# Altium PCB core.PcbDoc (part 4 of 4)
Units mil, origin at the board's own origin, x right, y up, seen from the top; angles counter-clockwise.
Board outline 2844.68 x 1781.68 mil, 4 copper layers (Top Layer 1, Signal Layer 1, Signal Layer 2, Bottom Layer 1), stack 23.756 mil thick; 133 components, 210 nets, 844 pads, 433 vias.
Unrouted connection lines stored in the file: 3.
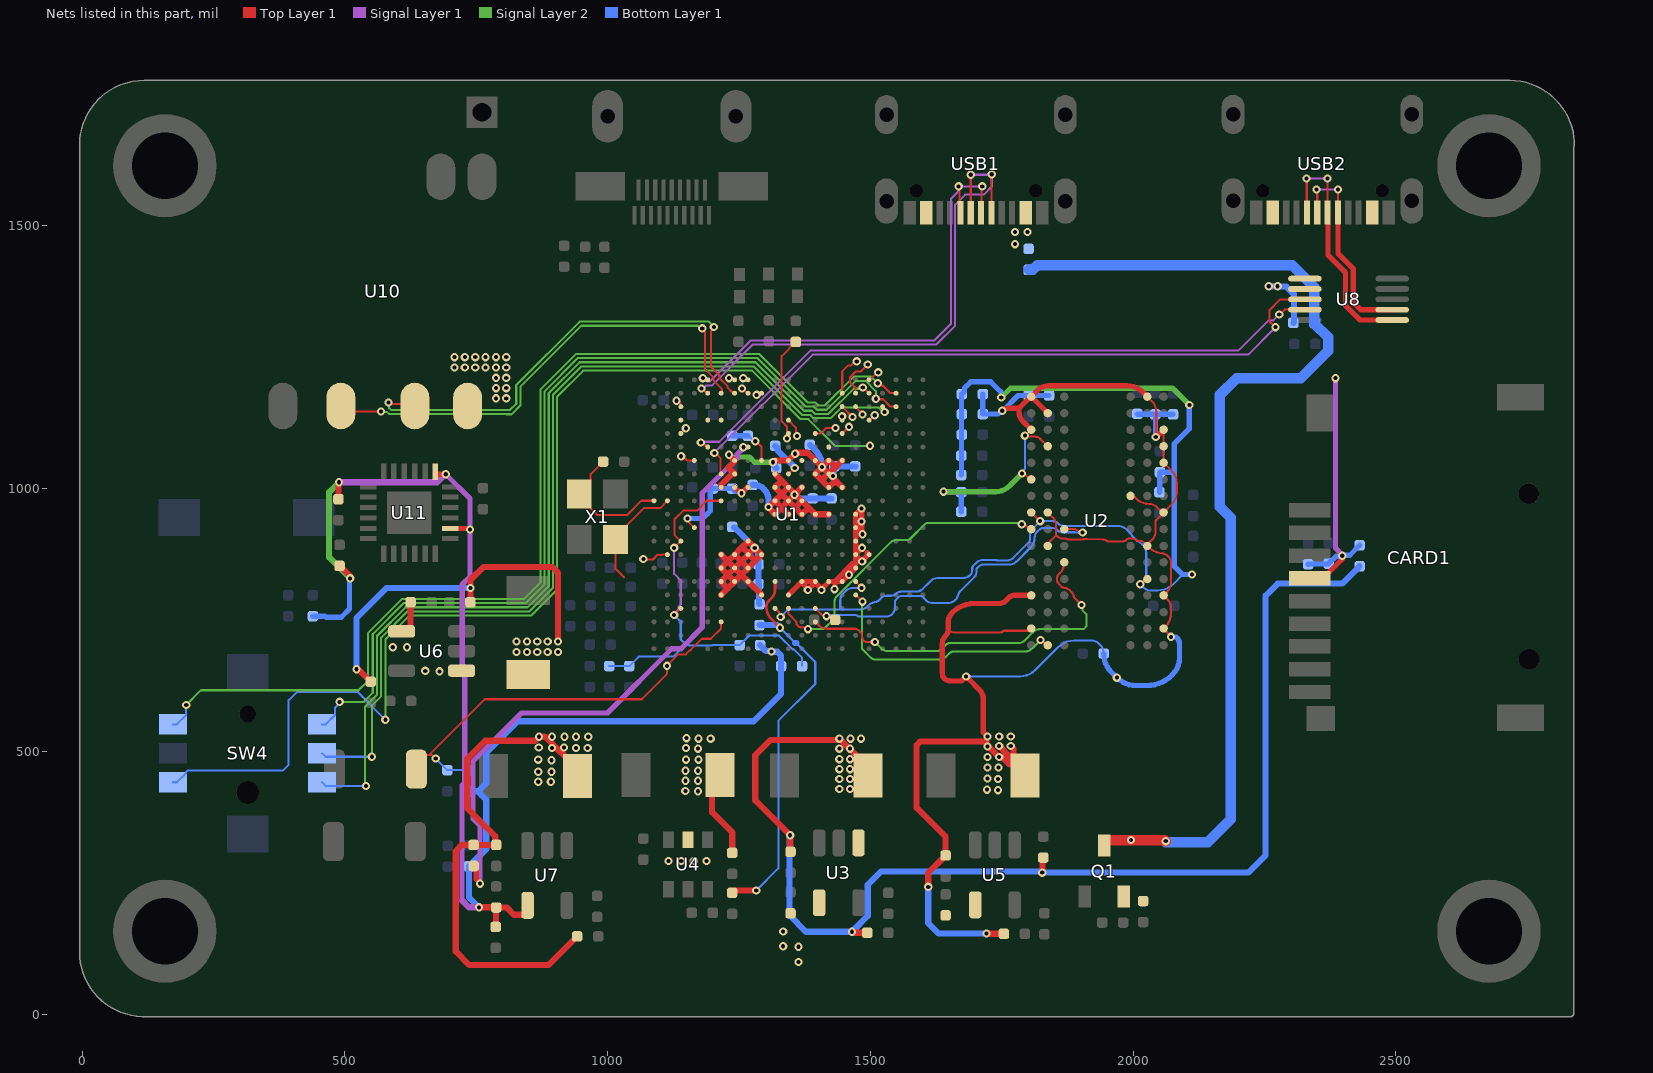
[diagram p6: the nets of this part, all layers, seen from the top]

## Via types
v1: diameter 15.75, hole 7.87, Top Layer 1 to Bottom Layer 1, tented both sides, 428 vias
v2: diameter 15.75, hole 7.87, Top Layer 1 to Bottom Layer 1, 4 vias
v3: diameter 15.75, hole 7.87, Signal Layer 1 to Signal Layer 2, tented both sides, 1 vias

## Nets (pads, with @x,y where several pads share a name; then routed paths per layer and width w, separated by ;. In a path a pad name is that pad's centre, name@x,y a point inside that pad or via, vN(x,y) a via of type N, cw(c..) or ccw(c..) an arc to the next point about the centre after c; other vN are vias at no path point) (continued)
SODT1: U1.V11 U2.J1 | length 593.2
  Top Layer 1 w4: U1.V11@1344.05,771.88 1344.35,771.58 1344.35,761.16 1357.79,747.71 cw(c1354.98,744.87) 1358.96,745.26 ccw(c1369.64,746.29) 1372.04,735.84 cw(c1372.91,731.94) 1372.81,735.93 cw(c1372.81,723.7) 1380.55,733.18 cw(c1372.81,723.7) v1(1381.46,732.35) ; v1(1788.14,931.98) 1788.27,931.81 ccw(c1791.48,934.2) 1788.63,931.39 1790.48,929.53 1795.89,929.53 1802.77,922.65 U2.J1@1806.02,922.65
  Signal Layer 2 w4: v1(1381.46,732.35) 1406.72,732.35 ccw(c1406.72,743.62) 1414.69,735.65 1428.33,749.29 ccw(c1419.46,758.16) 1432,758.16 1432,785.53 cw(c1444.36,785.53) 1435.62,794.27 1538.91,897.56 ; 1538.92,897.57 cw(c1548.79,887.68) 1548.79,901.65 1568.63,901.65 ccw(c1568.63,912.61) 1576.37,904.85 1603.36,931.84 cw(c1610.01,925.19) 1610.01,934.59 1774.25,934.59 1784.48,934.08 cw(c1784.28,930.08) 1786.96,933.05 v1(1788.14,931.98)
SPI0_CLK: U1.B16 | length 78.4
  Top Layer 1 w4: U1.B16@1472,1181.33 1471.67,1181.66 1471.67,1192.05 1461.28,1202.45 1461.28,1211.36 1472.47,1222.56 1481.56,1222.56 v1(1495,1236)
SPI0_CS: U1.B15 | length 77.1
  Top Layer 1 w4: U1.B15@1446.41,1181.33 1446.41,1223.01 1457.24,1233.84 1462.66,1233.84 1470.82,1242 v1(1474,1242)
SPI0_MISO: U1.C16 | length 20.1
  Top Layer 1 w4: U1.C16@1472,1155.74 1472,1154.86 1485,1141.86 v1(1485,1140.98)
SPI0_MOSI: U1.C15 | length 27.9
  Top Layer 1 w4: U1.C15@1446.41,1155.74 1446.41,1155.57 1465.92,1136.06 v1(1465.92,1135.89)
SRAS: U1.V13 U2.J3 | length 658.5
  Top Layer 1 w4: U1.V13@1395.23,771.88 1405.46,761.65 ccw(c1416.38,772.57) 1409.26,758.87 ccw(c1416.38,772.57) v1(1416.38,757.13) ; U2.J3@1869.01,922.65 1888.03,922.65 cw(c1888.03,900.07) 1888.8,922.64 ; 1888.83,922.64 cw(c1888.62,918.64) 1890.28,922.29 v1(1903.96,916.07)
  Bottom Layer 1 w4: v1(1416.38,757.13) 1418.42,759.17 1470.5,759.17 cw(c1470.5,749.71) 1476.22,757.24 ccw(c1478.64,760.43) 1478.4,756.43 1478.74,756.41 ccw(c1479.07,760.4) 1479.07,756.4 1500.85,756.4 1506.48,756.35 ccw(c1506.56,769.23) 1506.58,756.35 1527.23,756.37 1530.35,756.37 ccw(c1530.35,772.04) 1530.7,756.38 ccw(c1530.35,772.04) 1541.43,760.96 ccw(c1528.18,774.21) 1541.47,761 ccw(c1528.18,774.21) 1546.92,774.21 1546.92,785.1 cw(c1550.92,785.1) 1548.07,787.92 1552.15,791.99 cw(c1561.22,782.86) 1561.22,795.73 1591.76,795.73 cw(c1591.76,782.66) 1601,791.9 1604.83,788.08 ; 1604.84,788.06 ccw(c1619.72,802.97) 1619.72,781.91 1645.85,781.91 ccw(c1645.85,806.18) 1661.18,787.36 1662.76,788.93 ccw(c1655.85,795.84) 1664.8,791.92 ; 1670.67,804.67 ccw(c1673.54,801.88) 1669.88,803.49 1664.84,792.03 1664.82,791.97 ; 1670.69,804.69 1698.36,832.36 ccw(c1689.9,840.79) 1701.85,840.79 1701.85,845.74 cw(c1705.85,845.74) 1703.25,848.78 1707.37,852.3 cw(c1715.72,842.5) 1715.72,855.37 1764.51,855.37 ccw(c1764.51,874.41) 1777.98,860.95 1805.63,888.6 ccw(c1790.24,903.99) 1812,903.99 cw(c1816,903.99) 1812.08,904.78 1813.42,911.4 cw(c1826.04,908.83) 1818.26,919.09 1821.71,921.71 cw(c1829.66,913.76) 1829.66,925 1844.37,925 cw(c1844.37,906.68) 1857.31,919.65 ccw(c1864.21,926.53) 1864.21,916.78 1888.09,916.78 cw(c1888.09,912.78) 1888.27,916.78 v1(1903.96,916.07) ; 1664.8,791.92 ccw(c1655.85,795.84) 1664.82,791.97
SRST: U1.U16 U2.T2 | length 487.1
  Top Layer 1 w4: U1.U16@1472,797.47 v1@1484.84,784.68 ; v1(1823.73,711.53) 1825.69,711.53 1835.12,702.09 1835.12,701.65 U2.T2@1837.51,701.65
  Signal Layer 2 w4: v1(1484.87,784.68) 1483.88,783.68 1483.88,696.74 ccw(c1487.88,696.74) 1485.07,693.9 1500.79,678.24 ccw(c1509.25,686.75) 1509.25,674.75 1633.11,674.75 ccw(c1633.11,687.67) 1642.25,678.53 1649.06,685.35 cw(c1660.61,673.8) 1660.61,690.13 1795.11,690.13 ccw(c1795.11,707.57) 1807.43,695.22 v1(1823.73,711.53)
STATUS_LED: R38.2 U1.E11 | length 209.4
  Top Layer 1 w4: U1.E11@1344.05,1104.56 1343,1103.52 1343,1096.96 v1(1341.4,1095.35) 1341.4,1117.63 1331,1128.03 1331,1252 R38.2@1358,1279
SVREF: C24.1 C33.2 C38.2 C39.2 R9.2 R10.1 R12.1 U1.T16 U1.V10 U2.H1 U2.M8 | length 2175.3
  Top Layer 1 w4: U1.V10@1318.46,771.88 1326.98,763.35 ; U1.T16@1472,823.06 1472,822.53 1483,811.53 v1(1483,811) ; U2.H1@1806.02,954.4 1806.22,954.4 1822.78,937.83 v1(1822.99,937.83) ; v1(2013.48,817.87) 2015.35,817.87 2025.13,827.65 U2.M8@2027,827.65
  Signal Layer 2 w10: v1(1749,1173) 1767,1191 2075,1191 v1(2107,1159)
  Bottom Layer 1 w4: v1(1329.23,755.58) 1343.65,770 1442.68,770 ; v1(1483,811) 1467.62,811 ccw(c1467.62,790.19) 1452.92,804.92 1447.61,799.61 ccw(c1459.52,787.71) 1442.68,787.71 1442.68,770 ; 1496.77,777.7 1495.07,776.01 1495.01,775.95 cw(c1480.61,790.42) 1480.61,770 1442.68,770 ; 1496.78,777.72 cw(c1513.37,761.09) 1502.93,782.13 cw(c1513.37,761.09) 1503.32,782.32 cw(c1505.05,778.71) 1504.04,782.58 1511.62,784.56 ccw(c1510.63,788.44) 1512.12,784.73 ccw(c1507.44,796.3) 1516.27,787.47 1520.47,791.67 cw(c1530.61,781.53) 1530.61,795.87 1539.16,795.87 ccw(c1539.16,809.29) 1548.64,799.8 cw(c1558.13,790.32) 1558.13,803.73 1587.8,803.73 ccw(c1587.8,819.53) 1598.97,808.36 1613.76,823.14 ; 1613.78,823.16 cw(c1630.31,806.58) 1630.31,830 1677.9,830 ccw(c1677.9,845.7) 1689,834.6 1690.1,835.7 ccw(c1680.97,844.78) 1693.85,844.78 1693.85,845.74 1693.85,849.05 cw(c1697.85,849.05) 1695.02,851.88 1701.96,858.83 ; 1701.97,858.84 cw(c1714.31,846.48) 1714.31,863.94 1733.37,863.94 cw(c1733.37,859.94) 1733.63,863.93 1739.94,863.52 ccw(c1740.78,876.36) 1740.71,863.49 1761.84,863.37 ccw(c1761.92,876.25) 1770.99,867.12 1802.49,898.62 ccw(c1799.66,901.44) 1803.54,900.45 1803.58,900.6 ccw(c1799.71,901.61) 1803.71,901.61 1803.71,909.99 cw(c1823.92,909.99) 1809.61,924.27 ; 1809.63,924.28 v1@1822.99,937.64 ; v1(1822.99,937.83) v1@1822.99,937.64 ; 2094.65,836.31 2076.96,818.62 cw(c2046.5,849.08) 2046.5,806 2033.74,806 cw(c2033.74,826.26) 2019.42,811.93 v1(2013.48,817.87) 2020.91,825.3 ccw(c2011.35,834.86) 2024.87,834.86 2024.87,877.71 ccw(c2004.39,877.71) 2018.88,892.19 2016.99,894.08 2007.37,900.75 1999.83,908.29 1990.03,919.61 1988.8,920.84 ccw(c1969.95,901.99) 1969.95,928.65 1921.97,928.65 cw(c1921.97,932.65) 1921.9,928.65 1904.43,928.94 cw(c1904.64,941.81) 1904.35,928.94 ccw(c1903.96,916.07) 1903.93,928.95 1887.39,928.91 1868.15,928.91 cw(c1868.15,944.15) 1857.39,933.36 ccw(c1846.58,922.54) 1846.58,937.83 1823.18,937.83 v1@1823,937.65 ; v1@2108,840.65 2112,840.65 v1(2112,836.31)
  Bottom Layer 1 w10: C39.2@1673,1025.65 1673.5,1026.15 1673.5,1179.15 C24.1@1674,1179.65 1679,1184.65 1679,1191 1691,1203 1729,1203 1747.9,1184.1 ; v1(1749,1173) 1749,1182 ; C38.2@2050,993 2050.5,993.5 2050.5,1030.5 R12.1@2051,1031 2073.84,1031 2078,1026.84 ; v1(2107,1159) 2107,1113.87 2078,1084.87 2078,1026.84 ; v1@2109.34,836.31 2094.65,836.31 2093.98,836.31 2078,852.29 2078,1026.84
SW_DOWN: SW4.6 U1.F17 | length 2135.2
  Top Layer 1 w4: U1.F17@1497.59,1078.97 1499.58,1080.96 1499.41,1081.13 v1(1499.41,1081.24)
  Signal Layer 2 w4: v1(577,560) 577,712.75 622.25,758 854.25,758 904,807.75 904,1175 953.25,1224.25 1274.87,1224.25 1367.12,1132 1382,1132 1433.04,1080.96 1499.41,1080.96 v1(1499.41,1081.24)
  Bottom Layer 1 w4: SW4.6@173.23,440.95 180.12,440.95 197.8,458.64 197.8,460.66 200.14,463 382,463 393,474 393,597 409,613 524,613 v1(577,560)
SW_LEFT: SW4.2 U1.C18 | length 1782.4
  Top Layer 1 w4: U1.C18@1523.18,1155.74 1524.22,1154.7 1524.22,1151.84 1527.12,1148.94 v1(1527.12,1145.77)
  Signal Layer 2 w4: v1(551.33,489.51) 551.33,586.7 569,604.37 569,716.06 618.94,766 850.94,766 896,811.06 896,1178.31 949.94,1232.25 1278.18,1232.25 1370.43,1140 1385.31,1140 1391.43,1133.88 1424.8,1133.88 1433.35,1142.43 1433.35,1142.62 1440.89,1150.17 1441.08,1150.17 1444.77,1153.85 1515.85,1153.85 1523.94,1145.77 v1(1527.12,1145.77)
  Bottom Layer 1 w4: SW4.2@456.69,496.07 463.25,489.51 v1(551.33,489.51)
SW_MID: SW4.1 U1.C19 | length 1763.5
  Top Layer 1 w4: v1(1510.39,1170.76) 1511.31,1169.83 1524.26,1169.83 1538.05,1156.04 1548.47,1156.04 U1.C19@1548.77,1155.74
  Signal Layer 2 w4: v1(490,594) 536,594 553,611 553,722.69 612.31,782 844.31,782 880,817.69 880,1184.94 943.31,1248.25 1284.81,1248.25 1377.06,1156 1391.94,1156 1398.06,1149.88 1416.78,1149.88 1471.83,1204.93 1490.85,1204.93 1510.39,1185.4 v1(1510.39,1170.76)
  Bottom Layer 1 w4: SW4.1@456.69,551.19 463.58,551.19 481.27,568.87 481.27,583.11 490,591.85 v1(490,594)
SW_RIGHT: SW4.3 U1.B17 | length 1815
  Top Layer 1 w4: v1(1485.52,1192.06) 1486.19,1192.06 1496.92,1181.33 U1.B17@1497.59,1181.33
  Signal Layer 2 w4: v1(540,434) 538.45,435.55 538.45,585.14 561,607.69 561,719.37 615.63,774 847.63,774 888,814.37 888,1181.63 946.62,1240.25 1281.49,1240.25 1373.75,1148 1388.63,1148 1394.74,1141.88 1420.09,1141.88 1468.03,1189.83 1483.28,1189.83 v1(1485.52,1192.06)
  Bottom Layer 1 w4: SW4.3@456.69,440.95 463.64,434 v1(540,434)
SW_UP: SW4.4 U1.B19 | length 2023.8
  Top Layer 1 w4: v1(1513.92,1200.29) 1517.1,1200.29 1521.77,1195.62 1524.06,1195.62 1538.05,1181.63 1548.47,1181.63 U1.B19@1548.77,1181.33
  Signal Layer 2 w4: v1(198,588) 226,616 526,616 544.35,634.35 544.35,725.35 609,790 841,790 872,821 872,1188.25 940,1256.25 1288.12,1256.25 1380.37,1164 1395.25,1164 1401.37,1157.88 1413.46,1157.88 1468.51,1212.93 1501.27,1212.93 v1(1513.92,1200.29)
  Bottom Layer 1 w4: SW4.4@173.23,551.19 180.12,551.19 197.8,568.87 197.8,587.8 v1(198,588)
SWE: U1.W13 U2.L3 | length 712.5
  Top Layer 1 w4: U1.W13@1395.23,746.29 1401.81,739.71 ccw(c1417.7,755.6) 1417.7,733.13 1470.3,733.13 cw(c1470.3,722.4) 1477.87,730 ; 1477.88,729.98 1481.02,726.84 cw(c1473.97,719.79) 1483.94,719.79 ccw(c1497.79,719.79) 1483.96,719.16 ccw(c1497.79,719.79) 1488,710 ccw(c1492.86,714.86) 1492.86,707.99 v1(1508.47,707.99) ; 1863.01,841.46 1861.43,839.88 cw(c1857.96,841.87) 1860.44,838.73 ccw(c1869.01,827.65) 1859.14,837.58 ccw(c1869.01,827.65) 1859.08,837.52 ccw(c1869.01,827.65) 1855.01,827.65 1855.01,824.75 cw(c1851.8,822.36) 1855.62,823.55 ccw(c1869.01,827.65) 1859.08,817.78 ccw(c1869.01,827.65) 1859.14,817.72 1863.13,813.73 ccw(c1870.56,821.17) 1868.56,810.85 cw(c1868.56,795.96) 1870.95,810.65 cw(c1868.56,795.96) 1879.09,806.49 1883.53,802.04 cw(c1874.57,793.08) 1887.2,794.1 ; 1863.03,841.47 ccw(c1852.88,851.59) 1867.21,851.59 1867.21,857.85 U2.L3@1869.01,859.65 ; 1886.94,795.82 ccw(c1892.83,795.82) 1887.2,794.1 ; v1(1901.81,778.52) 1888.66,791.66 cw(c1892.83,795.82) 1887.2,794.1
  Signal Layer 2 w4: v1(1508.47,707.99) 1521.35,695.11 ccw(c1531.87,705.63) 1531.87,690.75 1627.24,690.75 ccw(c1627.24,701.86) 1635.1,694 1643.27,702.17 ; 1643.28,702.19 cw(c1652.81,692.64) 1652.81,706.13 1782.66,706.13 ccw(c1782.66,720.98) 1793.16,710.47 ; 1793.16,710.48 1809.17,726.49 cw(c1823.46,712.2) 1823.46,732.4 1905.75,732.4 1911,737.65 1911,760.65 1903.28,768.37 1903.28,777.04 v1(1901.81,778.52)
TFT_RS: U1.D17 | length 14.7
  Top Layer 1 w4: U1.D17@1497.59,1130.15 1498.33,1130.15 1507.66,1139.48 v1(1508.4,1139.48)
TFT_RST: U1.A17 | length 23.2
  Top Layer 1 w4: U1.A17@1497.59,1206.92 1499.06,1206.92 1513.14,1221 v1(1515,1221)
UART0_RX: U1.H6 U8.8 | length 1327.2
  Top Layer 1 w4: v1(1203.09,1067.74) 1205.01,1067.74 1215.05,1057.7 1215.05,1028.83 U1.H6@1216.1,1027.79 ; v1(2271,1307) 2270.2,1307 2259.38,1317.83 2259.38,1339.38 2280,1360 U8.8@2326.86,1360
  Signal Layer 1 w4: v1(1203.09,1067.74) 1390.23,1254.87 2218.87,1254.87 v1(2271,1307)
UART0_STATUS: U8.6
UART0_TX: U1.F5 U8.9 | length 1271.7
  Top Layer 1 w4: v1(1177.35,1087.6) 1180.39,1087.6 1189.03,1078.97 U1.F5@1190.5,1078.97 ; v1@2278.52,1330.48 v1(2278,1331) 2278.99,1331 2288.31,1340.32 U8.9@2326.86,1340.32
  Signal Layer 1 w4: v1(1177.35,1087.6) 1178.77,1089.03 1212.6,1089.03 1386.45,1262.87 2200.87,1262.87 2257.87,1319.87 2266.87,1319.87 v1(2278,1331)
UART1_CTS: U1.E3 | length 14.2
  Top Layer 1 w4: U1.E3@1139.32,1104.56 1139.32,1104.9 1148.87,1114.45 v1(1148.87,1114.79)
UART1_RTS: U1.C3 | length 16.6
  Top Layer 1 w4: v1(1131,1166.97) 1133.25,1164.72 1136.48,1164.72 1138.28,1162.92 1138.28,1156.78 U1.C3@1139.32,1155.74
UART1_RX: U1.D3 | length 1.1
  Top Layer 1 w4: U1.D3@1139.32,1130.15 U1.D3@1139.32,1131.26
UART1_TX: U1.G4 | length 28.3
  Top Layer 1 w4: v1(1139.93,1061.44) 1143.11,1061.44 1151.17,1053.38 U1.G4@1164.91,1053.38
UART2_CTS: U1.E13 | length 42.9
  Top Layer 1 w4: U1.E13@1395.23,1104.56 1395.53,1104.86 1405.95,1104.86 1416.38,1115.28 1433.46,1115.28 v1(1433.61,1115.13)
UART2_RTS: U1.D6
UART2_RX: U1.D5
UART2_TX: U1.D11 | length 36.9
  Top Layer 1 w4: U1.D11@1344.05,1130.15 1358.31,1115.89 1358.31,1102.37 v1(1360.56,1100.13)
UART3_CTS: U1.D15 | length 7.2
  Top Layer 1 w4: v1(1446.22,1137.29) 1446.22,1130.34 U1.D15@1446.41,1130.15
UART3_RTS: U1.F14 | length 1.1
  Top Layer 1 w4: U1.F14@1420.82,1078.97 U1.F14@1420.82,1080.05
UART3_RX: U1.G12
UART3_TX: U1.E15 | length 18.1
  Top Layer 1 w4: U1.E15@1446.41,1104.56 v1(1459.18,1117.33)
UBOOT: C56.2 R37.1 SW3.1 U1.W6 | length 805.5
  Top Layer 1 w4: SW3.1@636,466 636,475.27 653.39,492.66 659.66,492.66 ; v1(673,486) 672,486 665.34,492.66 659.66,492.66 ; U1.W6@1216.1,746.29 1216.1,733.64 1196.45,714 1179.21,714 1157.27,692.06 1156.24,692.06 1148.56,684.39 1134.59,684.39 v1(1112.76,662.55) 1112.76,646.76 1065,599 766,599 659.66,492.66
  Bottom Layer 1 w4: v1(673,486) C56.2@695,464 R37.1@735,464
USB0-DRVVBUS: U1.P2 | length 50
  Top Layer 1 w4: v1(1068,866) 1069.02,864.98 1086.22,864.98 1094.94,873.7 1103.46,873.7 1104,874.24 U1.P2@1113.73,874.24
USB0D_N: U1.B5 USB1.A7 USB1.B7 | length 1069.9
  Top Layer 1 w4: v1(1178.82,1190.39) 1180.14,1190.39 1189.19,1181.33 U1.B5@1190.5,1181.33 ; USB1.A7@1690.95,1524.7 1690.95,1596.95 v1(1691,1597) ; USB1.B7@1730.32,1524.7 1730.66,1525.04 1730.66,1597.66 v1(1731,1598)
  Signal Layer 1 w4: v1(1178.82,1190.39) 1181.71,1190.39 1187.04,1195.72 1197.9,1195.72 1276.17,1274 1625.31,1274 1661.28,1309.97 1661.28,1540.28 1680.34,1559.34 1715.55,1559.34 1731,1574.79 v1(1731,1598) ; v1(1691,1597) v1@1730,1597
USB0D_P: U1.A5 USB1.A6 USB1.B6 | length 946.5
  Top Layer 1 w4: v1(1181.23,1209.99) 1183.25,1207.96 1189.46,1207.96 U1.A5@1190.5,1206.92 ; v1(1668,1575) 1669.63,1573.37 1669.63,1526.33 USB1.B6@1671.26,1524.7 ; USB1.A6@1710.63,1524.7 1711.61,1525.69 1711.61,1573.61 v3(1713,1575)
  Signal Layer 1 w4: v1(1181.23,1209.99) 1183.18,1209.99 1189.44,1203.72 1194.58,1203.72 1272.86,1282 1622,1282 1653.28,1313.28 1653.28,1551.28 1666.69,1564.69 1666.69,1573.69 v1(1668,1575) 1668.2,1574.8 1712.8,1574.8 v3(1713,1575)
  other v1: 1713,1575
USB1D_N: U1.B7 U10.2 | length 927.6
  Top Layer 1 w4: v2(582.81,1163.56) 585.99,1163.56 589.05,1160.5 629.53,1160.5 U10.2@633.02,1157 ; v1(1202.06,1307.25) 1202.06,1304.52 1196.57,1299.03 1196.57,1231.86 1212.32,1216.12 1212.32,1210.4 1228.41,1194.3 1228.41,1191.95 1236.78,1183.59 1237.95,1183.59 1240.21,1181.33 U1.B7@1241.68,1181.33
  Signal Layer 2 w4: v2(582.81,1163.56) 583.99,1162.38 583.99,1153.12 587.43,1149.69 810.31,1149.69 810.69,1149.31 814,1149.31 826,1161.31 826,1197 946.66,1317.66 1192.84,1317.66 1202.06,1308.44 v1(1202.06,1307.25)
USB1D_P: U1.B6 U10.3 | length 926.3
  Top Layer 1 w4: U10.3@492.24,1157 502.7,1146.53 v2(568.85,1146.53) ; v1(1180,1304.78) 1180,1303.27 1185.49,1297.78 1185.49,1227.27 1201.23,1211.53 1201.23,1205.81 1217.32,1189.71 1217.32,1186.4 1217.14,1186.21 1217.14,1182.37 U1.B6@1216.1,1181.33
  Signal Layer 2 w4: v2(568.85,1146.53) 569.45,1145.93 579.87,1145.93 584.11,1141.69 807,1141.69 807.37,1141.31 817.31,1141.31 834,1158 834,1193.69 949.97,1309.66 1171.95,1309.66 1176.82,1304.78 v1(1180,1304.78)
USB2D_N: U1.A8 | length 10.5
  Top Layer 1 w4: v1(1258,1209.99) 1260.02,1207.96 1266.23,1207.96 U1.A8@1267.28,1206.92
USB2D_P: U1.A7 | length 12
  Top Layer 1 w4: v1(1230.93,1209.99) 1232.96,1207.96 1240.64,1207.96 U1.A7@1241.68,1206.92
USB3D_N: U1.B9 | length 10.6
  Top Layer 1 w4: v1(1283.58,1178.21) 1285.65,1180.29 1291.82,1180.29 U1.B9@1292.87,1181.33
USB3D_P: U1.B8 | length 15.4
  Top Layer 1 w4: v1(1255.6,1190.39) 1256.91,1190.39 1265.96,1181.33 U1.B8@1267.28,1181.33
USB_TTL_N: U8.2 USB2.A7 USB2.B7 | length 392.5
  Top Layer 1 w4: v1(2349,1569) 2350.4,1567.6 USB2.A7@2350.4,1525 ; USB2.B7@2389.77,1525 2389.88,1525.11 2389.88,1568.88 v1(2390,1569)
  Top Layer 1 w10: USB2.B7@2389.77,1525 2389.77,1447.23 2419,1418 2419,1354 2432.69,1340.32 U8.2@2493,1340.32
  Signal Layer 1 w4: v1(2349,1569) v1(2390,1569)
USB_TTL_P: U8.1 USB2.A6 USB2.B6 | length 461.7
  Top Layer 1 w4: v1(2330,1590) 2330.35,1589.65 2330.35,1525.35 USB2.B6@2330.71,1525 ; v1(2370,1590) 2370.08,1589.92 USB2.A6@2370.08,1525
  Top Layer 1 w10: USB2.A6@2370.08,1525 2370.98,1524.09 2370.98,1444.02 2404,1411 2404,1348 2431.37,1320.63 U8.1@2493,1320.63
  Signal Layer 1 w4: v1(2330,1590) v1(2370,1590)
VCC_5V: C42.2 C44.2 C45.2 C52.2 Q1.2 U3.1 U3.4 U4.5 U5.4 U6.1 U6.4 | length 82.9
  Top Layer 1 w11.81: U6.4@608,728.06 619.09,728.06 625,733.96 C45.2@625,783.65 ; U3.4@1402.6,197.87 U3.4@1402.6,211.65
  other v1: 1363,99 1363,128 1334,129 1334,157 1116,291 1140,291 1164,291 1188,291 680,652 653,653 591,698 618,698
VCC_DRAM: C24.2 C25.1 C26.1 C27.1 C28.1 C29.1 C30.1 C31.1 C32.1 C46.2 L3.2 R9.1 R21.2 U1.L16 U1.M16 U1.N16 U1.P16 U1.P17 U1.R16 U1.T12 U1.T13 U1.T14 U1.T15 U1.U11 U2.A1 U2.A8 U2.B2 U2.C1 U2.C9 U2.D2 U2.D9 U2.E9 U2.F1 U2.G7 U2.H2 U2.H9 U2.K2 U2.K8 U2.N1 U2.N9 U2.R1 U2.R9 | length 4517
  Top Layer 1 w4: 1648,731.3 ccw(c1660.81,744.11) 1660.81,726 1747.66,726 ccw(c1747.66,731.65) 1751.65,727.65 cw(c1755.65,723.66) 1755.65,729.31 1798.43,729.31 1802.77,733.65 U2.R1@1806.02,733.65 ; 1676,636.65 1679.19,639.84 cw(c1682,637) 1679.47,640.09 v1(1682.27,642.38) ; L3.2@1793.84,453.65 L3.2@1793.84,467.83 ; v1@1795.03,1026.2 1803.83,1017.39 U2.F1@1806.02,1017.39 ; U2.A1@1805.22,1174.87 U2.A1@1806.02,1174.87 ; U2.C1@1806.02,1111.88 1794.79,1100.65 v1(1794,1100.65) 1796,1098.65 1812.77,1098.65 cw(c1812.77,1083.01) 1823.82,1094.07 U2.D2@1837.51,1080.39 ; U2.K2@1837.51,893.9 cw(c1840.89,893.9) 1838.5,896.29 1853.43,911.22 ; U2.H2@1837.51,954.4 1847.24,944.67 ; 1847.26,944.65 cw(c1844.39,941.86) 1847.37,944.54 1848.64,943.13 cw(c1845.66,940.45) 1848.71,943.04 ; 1848.74,943.01 cw(c1832.37,929.76) 1853.43,929.76 1853.43,911.22 ; U2.G7@1995,985.9 1997.3,983.6 2003.05,983.6 2005.75,980.9 ccw(c2030.49,1005.64) 2030.49,970.65 cw(c2030.49,950.11) 2045,964.65 2055.25,954.4 U2.H9@2058,954.4 ; U2.K8@2027,893.67 2036.31,902.98 ccw(c2020.64,918.64) 2042.79,918.64 2042.79,939.2 U2.H9@2058,954.4 ; U2.A8@2027,1174.87 2035.5,1166.37 ; 2035.51,1166.36 cw(c2014.98,1145.85) 2044,1145.85 2044,1099 v1(2043,1098) ; U2.C9@2058,1111.88 U2.D9@2058,1080.39 U2.E9@2058,1048.89 2073.18,1033.71 cw(c2049.47,1010) 2083,1010 2083,991.76 cw(c2053.16,991.76) 2074.26,970.66 U2.H9@2058,954.4 ; 2064.9,803.56 U2.N9@2058,796.65 2065,789.65 cw(c2048.1,772.75) 2072,772.75 2072,761.46 cw(c2038.67,761.46) 2062.25,737.9 U2.R9@2058,733.65 2058,732.65 2072,718.65 v1(2072,717.65) ; 2064.92,803.57 ccw(c2047.77,820.69) 2072,820.69 2072,849.84 2072,859.57 ccw(c2058,859.65) 2072,859.65 ccw(c2058,859.65) 2067.93,869.52 ccw(c2058,859.65) 2067.87,869.58 ccw(c2058,859.65) 2067.82,869.63 ccw(c2057.53,859.46) 2067.77,869.68 ; 2067.77,869.68 ccw(c2064.89,866.9) 2067.72,869.73 2066.38,871.07 ccw(c2051.78,856.39) 2055.82,876.7 cw(c2057.76,917.11) 2039.82,880.85 cw(c2041.57,884.44) 2039.21,881.22 2028.77,888.95 cw(c2031.15,892.16) 2028.31,889.35 U2.K8@2027,890.65 2021.1,896.55 ccw(c2010.98,886.43) 2016.1,899.8 2012.09,899.8 cw(c2012.09,910.68) 2007.65,900.75 cw(c2012.09,910.68) 2007.1,901.01 cw(c2012.09,910.68) 2004.4,902.99 ccw(c2001.72,900.35) 2001.72,904.11 ccw(c1997.94,891.32) 1997.94,904.65 1992.89,904.65 ccw(c1992.89,895.74) 1986.6,902.05 cw(c1980.31,908.33) 1980.31,899.45 1953.61,899.45 cw(c1953.61,903.45) 1953.1,899.48 1952.19,899.59 1950.12,900.42 ccw(c1942.64,890.88) 1942.64,903 ccw(c1942.35,899.01) 1942.35,903.01 cw(c1942.35,907.01) 1942.2,903.01 1911.96,904.29 ccw(c1911.41,891.43) 1907.67,903.74 cw(c1903.96,916.07) 1904.05,903.2 1876.58,903.01 1874.82,903.39 ccw(c1869.01,890.65) 1872.69,904.16 cw(c1873.77,908.01) 1871.14,905 1865.4,905 cw(c1865.4,918.87) 1855.6,909.05 1853.43,911.22
  Top Layer 1 w10: U1.U11@1344.05,797.47 U1.T12@1369.64,823.06 ; v1(1407,807) v1@1407,808.56 ; v1(1431.57,808.43) 1432.67,809.53 1432.67,820.87 1433.1,821.3 1433.1,823.06 ; v1(1459.1,835.96) 1459.1,835.75 U1.T15@1446.41,823.06 1433.1,823.06 ; v1@1459.2,835.86 U1.R16@1472,848.65 ; v1(1483,937) 1483,936.42 U1.M16@1472,925.42 ; v1(1484,887) 1483.59,886.59 1483.59,885.83 U1.P16@1472,874.24 ; v1(1485,913) 1484.42,913 v1@1483.59,913.83 ; U1.P17@1497.59,874.24 1494.27,877.56 1493.44,877.56 1493.44,871.85 1484.36,862.77 v1(1484.36,861.22) 1472.79,872.79 U1.P16@1472,872 ; 1643.22,719.77 ccw(c1658.56,704.44) 1636.87,704.44 1636.87,649 ccw(c1658.3,649) 1639,639.69 ccw(c1653.1,653.78) 1653.1,633.85 1673.2,633.85 1676,636.65 ; 1643.24,719.79 ccw(c1631.7,731.3) 1648,731.3 1648,744.69 cw(c1675.31,744.69) 1656,764 cw(c1697.04,722.96) 1697.04,781 1744.25,781 ccw(c1744.25,800.41) 1757.97,786.68 ; v1(1682.27,642.38) 1687.45,637.21 1689.08,635.57 1707.02,617.58 cw(c1687.76,598.32) 1707.07,617.53 cw(c1687.76,598.32) 1715,598.32 1715,536 v1(1723,528) ; v1(1751,1148) cw(c1762.23,1136.77) 1752.22,1149.1 cw(c1762.23,1136.77) 1762.23,1152.65 1783,1152.65 ; 1757.98,786.69 1763.67,792.38 cw(c1774,782.03) 1774,796.65 U2.N1@1806.02,796.65 ; U2.A1@1805.22,1174.87 1783,1152.65 ; U2.C1@1806.02,1111.88 1790.51,1127.39 cw(c1808.64,1145.52) 1783,1145.52 1783,1152.65 ; U2.B2@1837.51,1143.38 U2.A1@1806.02,1174.87 1817.81,1186.67 cw(c1839.5,1164.98) 1839.5,1195.65 1988.19,1195.65 cw(c1988.19,1152.13) 2018.97,1182.9 U2.A8@2027,1174.87 ; v1(2043,1098) 2044.12,1098 U2.C9@2058,1111.88 ; U1.T12@1369.64,823.06 1369.64,819.92 1381,808.56 v1(1381,807) 1381.5,807.5 1394.33,820.33 U1.T13@1395.23,820.33 ; U1.T12@1369.64,823.06 U1.T13@1395.23,823.06 U1.T13@1395.23,820.33 ; U1.T13@1395.23,820.33 v1@1407,808.56 ; v1@1407,808.56 1420.82,822.37 U1.T14@1420.82,823.06 1433.1,823.06 ; 1433.1,823.06 1433.1,824.1 1466,857 1472,857 U1.P16@1472,872 ; U1.P16@1472,872 U1.P16@1472,874.24 ; U1.P16@1472,874.24 U1.N16@1472,899.83 U1.M16@1472,925.42 ; U1.M16@1472,925.42 v1@1483.59,913.83 ; U1.M16@1472,925.42 U1.L16@1472,951.02 v1(1483,962) 1483.59,961.41 v1@1483.59,913.83
  Top Layer 1 w11.81: v1(1610,242) 1610,268.65 C46.2@1643,301.65 1643,337.65 1588,392.65 1588,511.73 1594.92,518.65 1720.85,518.65 1720.85,513.15 v1(1745,489) 1750.5,489 1764.5,475 1764.5,490.5 v1(1745,510) ; v1(1721,153) 1721.17,152.83 1753.83,152.83 R21.2@1754,152.65 ; v1(1767,510) 1772.19,504.81 1772.19,489.48 L3.2@1793.84,467.83
  Signal Layer 2 w10: v1(1639,994) 1738.74,994 ccw(c1738.74,1030.85) 1764.77,1004.77 ccw(c1738.74,1030.85) 1764.83,1004.83 v1(1788.41,1028.38)
  Bottom Layer 1 w4: v1(1682.27,642.38) 1785.13,642.62 ccw(c1785.13,683.27) 1785.32,642.62 ccw(c1785.13,683.27) 1813.86,654.51 ; v1(1788.41,1028.38) ccw(c1784.45,1028.95) 1788.45,1028.95 1788.45,1031.63 1794,1037.18 v1(1794,1100.65) ; 1813.87,654.52 1857.8,698.46 cw(c1887.25,669.01) 1887.25,710.65 1920.36,710.65 cw(c1920.36,689.36) 1929.08,708.78 cw(c1920.36,689.36) 1935.4,704.43 ; 1935.41,704.42 1937.05,702.78 cw(c1920.27,686) 1943.02,692.75 cw(c1920.27,686) C25.1@1944,686
  Bottom Layer 1 w10: v1(1639,994) 1639.5,993.5 1672.5,993.5 C28.1@1673,993 C29.1@1673,956 ; C24.2@1714,1179.65 R9.1@1714,1141.65 1743.1,1141.65 ; v1(1751,1148) 1752,1148 1781,1177 C31.1@1801,1177 C32.1@1840,1177 ; C25.1@1944,686 ccw(c1994.39,686) 1958.75,650.38 ; 1958.76,650.37 v1(1969,640.13) ccw(c2005.52,676.64) 2005.52,625 2025.96,625 ccw(c2025.96,693.5) 2068.65,639.93 2075.87,647.15 ccw(c2046.3,676.72) 2088.12,676.72 2088.12,705.04 ccw(c2073.63,705.04) 2084.69,714.4 ; C27.1@2008,1142 2008.5,1141.5 2075.5,1141.5 C30.1@2076,1141 ; C26.1@2042,1141 2042.5,1140.5 2042.5,1098.5 v1(2043,1098) ; v1(2072,717.65) 2078.17,717.65 cw(c2078.17,709.59) 2083.87,715.29
  Bottom Layer 1 w11.81: v1(1610,242) 1610,173 1630,153 v1(1721,153)
  other v1: 1743,426 1722,427 1743,447 1723,448 1723,469 1744,469 1723,489 1723,509 1745,528 1767,528
VCC_IO: C8.1 C9.1 C10.1 C11.1 C40.2 C48.2 L2.2 L5.1 L10.2 R2.1 R17.2 R20.2 R26.2 R35.2 R36.2 R37.2 R41.1 R42.1 U1.G7 U1.G10 U1.G11 U1.G13 U1.G14 U1.G15 U1.H7 U1.H13 U1.H14 U1.J6 U1.J14 U1.J15 U7.4 U11.8 U11.13 | length 5821.1
  Top Layer 1 w10: U11.13@671.78,1031.84 671.78,1027.1 671.88,1027 v1(692,1027) ; U11.8@700.78,923.84 736.16,923.84 v1(738,922)
  Top Layer 1 w11.81: R41.1@487.78,979.81 487.78,1010.78 v1(489,1012) ; R42.1@489.78,852.81 510,832.59 v1(510,829) ; v1(755,203) 787.65,203 C48.2@788,202.65 ; R26.2@787,165.65 787.5,166.15 787.5,202.15 C48.2@788,202.65 ; U7.4@847.6,206.71 847.6,194.95 841.69,189.05 821.61,189.05 808,202.65 C48.2@788,202.65 ; U1.J6@1216.1,1002.2 1216.1,1007.09 1236.79,1027.79 U1.H7@1241.68,1027.79 1238.48,1030.99 1238.07,1030.99 1229.82,1039.25 1229.82,1040.75 1230.9,1040.75 1241.68,1051.54 1241.68,1052.31 1230.81,1063.19 v1(1230.81,1064.26) ; v1(1314.39,1050.05) 1315.13,1050.05 U1.G10@1318.46,1053.38 U1.G11@1344.05,1053.38 v1(1356.84,1066.17) 1357.91,1066.17 1359.74,1068.01 1380.6,1068.01 U1.G13@1395.23,1053.38 v1(1408.02,1040.58) ; C40.2@1348,308.65 1347.64,309.01 1347.64,339.78 v1(1347.29,340.13) 1280.89,406.53 1280.89,492.55 1310,521.65 1443.35,521.65 1460,505 v1(1461,505) 1474.19,491.81 1474.19,475.31 L2.2@1495.84,453.65 ; U1.J15@1446.41,1002.2 1433.61,1014.99 ; U1.G15@1446.41,1053.38 1433.61,1040.58 ; v1(1465,156.65) 1467,156.65 1469,154.65 R17.2@1494,154.65 ; v1(1827,269) 1827.75,269.75 1827.75,296.41 R20.2@1829,297.65 ; 1407.01,1016.01 1418.79,1027.79 U1.H14@1420.82,1027.79 ; 1407.01,1016.01 U1.J14@1420.82,1002.2 1433.61,1014.99 ; 1407.01,1016.01 U1.H13@1395.23,1027.79 v1(1408.02,1040.58) ; v1(1408.02,1040.58) U1.G14@1420.82,1053.38 1433.61,1040.58 ; v1(1408.02,1040.58) U1.H14@1420.82,1027.79 ; U1.H14@1420.82,1027.79 1433.61,1040.58 ; U1.H14@1420.82,1027.79 1433.61,1014.99
  Signal Layer 1 w10: v1(692,1027) 738,981 738,832.17 723.13,817.3 723.13,664.24 727.87,659.49 727.87,440.18 723,435.31 723,216
  Signal Layer 1 w11.81: v1(489,1012) 675.93,1012 690.93,1027 v1(692,1027) ; 723,216 736,203 v1(755,203)
  Signal Layer 2 w10: v1@1231.87,1064.26 1236.13,1060 1269.75,1060 1279.7,1050.05 v1(1314.39,1050.05)
  Signal Layer 2 w11.81: v1(489,1012) 470,993 470,869 v1(510,829) ; v1(1230.81,1064.26) v1@1231.87,1064.26
  Bottom Layer 1 w10: R35.2@439,757 462,757 464,755 493,755 509,771 509,828 v1(510,829)
  Bottom Layer 1 w11.81: R37.2@735,424 754,424 769,439 769,497 829,557 1278,557 1330,609 L5.1@1330,662 1329.67,662.33 1329.67,682.33 1322.75,689.25 1312.75,689.25 v1(1312,690) 1311.25,690.75 1301.25,690.75 R2.1@1290,702 ; 753,424 769,408 769,314 R36.2@736,281 736,222 v1(755,203) ; v1(1314.39,1050.05) 1314.39,1048.98 1316.91,1046.46 1316.91,1043.09 C9.1@1321,1039 ; v1@1346.22,340.13 1346.53,339.82 1346.53,336.6 1346.22,336.28 1346.22,187.78 1377.35,156.65 v1(1465,156.65) 1495,186.65 1495,246 1520,271 1823.93,271 1825.93,269 2219,269 2252,302 2252,796 2275,819 2398,819 L10.2@2431,852 ; C11.1@1385,1083 1394.5,1073.5 cw(c1361.85,1040.85) 1407.27,1049.16 cw(c1361.85,1040.85) 1408.02,1040.85 v1(1408.02,1040.58) ; v1(1428.61,1023.99) 1429.37,1024.74 1429.37,1044.37 C8.1@1431,1046 ; C8.1@1431,1042 C10.1@1471,1042
  other v1: 1441,428 1461,428 1441,447 1461,447 1441,466 1461,466 1441,485 1461,485 1441,505 1441,524 1462,524 1482,524
VCC_SDC: CARD1.4 L10.1 R33.1 R34.1 | length 544.4
  Top Layer 1 w10: CARD1.4@2335.81,829.13 2361.4,829.13 2396.9,864.64 2396.9,870.9 v1(2398,872) ; v1@2383.44,1210 v1(2385,1210)
  Signal Layer 1 w10: v1@2386.38,1212.38 2385,1211 2385,886.56 2398,873.56 v1(2398,872)
  Bottom Layer 1 w10: R34.1@2333,856 2333.5,856.5 2371.5,856.5 R33.1@2372,857 2385.9,870.9 2396.9,870.9 v1(2398,872) 2399.1,873.1 2412.1,873.1 L10.1@2431,892
VCC_TTL: L9.2 U8.7 USB2.A4 USB2.A9 USB2.B4 USB2.B9 | length 109.6
  Bottom Layer 1 w11.81: v1(2258,1385) v1(2275,1385) 2275.75,1384.25 2291.75,1384.25 2306,1370 2306,1316 L9.2@2305,1315
VCC_USB: L7.1 L9.1 Q1.3 | length 2022.6
  Top Layer 1 w20: Q1.3@1945,320.63 1945,329.19 1946.81,331 v1(1996,331) 2060,331 v1(2062,329)
  Bottom Layer 1 w20: L7.1@1801,1416 1809,1416 1818,1425 2302.83,1425 2345,1382.83 L9.1@2345,1315 2345,1313.87 2371,1287.87 2371,1262.13 2318.87,1210 2197,1210 2165,1178 2165,965 2186,944 2186,371 2142,327 v1@2062,327
VCC_USB0: L7.2 USB1.A4 USB1.A9 USB1.B4 USB1.B9
  other v1: 1775,1465 1775,1488 1799,1488
VCC_WIFI: C47.2 L4.2 R22.2 U10.1 | length 729.2
  Top Layer 1 w11.81: v1(522,656) 522.75,655.25 526.41,655.25 R22.2@549,632.65 ; C47.2@739,783.65 v1(739,810.72) 739,826 763.81,850.81 894.19,850.81 905.51,839.49 v1(905.51,708.66)
  Bottom Layer 1 w11.81: v1(522,656) 522,753 579.72,810.72 v1(739,810.72)
  other v1: 826.77,688.98 846.46,688.98 866.14,688.98 885.83,688.98 905.51,688.98 826.77,708.66 846.46,708.66 866.14,708.66 885.83,708.66 787.4,1171.56 807.09,1171.56 787.4,1190.94 807.09,1190.94 787.4,1210.63 807.09,1210.63 708.66,1230.32 728.35,1230.32 748.03,1230.32 767.72,1230.32 787.4,1230.32 807.09,1230.32 708.66,1250 728.35,1250 748.03,1250 767.72,1250 787.4,1250 807.09,1250
VDD_AV: C2.2 C3.2 U1.G9 | length 91.1
  Top Layer 1 w4: v1@1281,1091 1292.87,1079.13 U1.G9@1292.87,1053.38
  Bottom Layer 1 w4: C2.2@1237,1100 C2.2@1237.5,1100.5 ; C3.2@1266.5,1099.5 C3.2@1267,1100 1268.62,1100 1278.62,1090 v1(1281,1090)
  Bottom Layer 1 w10: C2.2@1237.5,1100.5 C3.2@1266.5,1100.5
VDD_AVCC: C50.2 C51.2 L5.2 R1.1 U1.K6 U1.N3 U1.V3 | length 811.6
  Top Layer 1 w4: v1(1126.53,759.09) U1.V3@1139.32,771.88 ; v1(1126.53,887.04) U1.N3@1139.32,899.83 1127,912.16 1127,941 1144,958 1170.01,958 1188.61,976.61 U1.K6@1216.1,976.61
  Signal Layer 1 w4: v1(1126.53,759.09) 1126.53,762.1 1134.83,770.4 1134.83,775 1139.17,779.34 1139.17,824.89 1126.53,837.54 v1(1126.53,887.04)
  Bottom Layer 1 w4: C51.2@1003,662 C50.2@1041,662 1059,680 1125,680 1147,702 ; v1(1126.53,759.09) 1139.22,746.4 1139.22,712.78 1148.5,703.5 ; 1150,702 1154.79,702 1155.67,701.13 1199.01,701.13 1199.88,702 R1.1@1251,702 1269,720 1326.16,720 1352.03,694.14 1353.86,694.14 1370,678 L5.2@1370,662
VDD_CPUFB: R8.1 R16.2 U1.T10 | length 758.5
  Top Layer 1 w5.04: U1.T10@1318.46,823.06 1318.46,806.06 cw(c1299.4,806.06) 1312.87,792.58 1307.29,787 ccw(c1319.9,774.39) 1302.07,774.39 ccw(c1334.56,774.39) 1311.59,751.41 v1(1328,735)
  Top Layer 1 w11.81: R16.2@1237,230.65 1241.09,234.75 1257,234.75 1257.34,235.08 v1(1282.93,235.08)
  Bottom Layer 1 w4: v1(1282.93,235.08) 1325,277.16 1325,558 1395,628 1395,669.84 1358.8,706.04 ; v1(1328,735) 1356.96,706.04
  Bottom Layer 1 w11.81: R8.1@1289,740 v1@1321.93,740 ; 1356.96,706.04 1358.8,706.04
VDD_CPUS: C20.1 C21.1 U1.J7 U1.J8 U1.M4 | length 202.1
  Top Layer 1 w4: v1@1154.25,936.09 U1.M4@1164.91,925.42
  Top Layer 1 w10: U1.J7@1241.68,1002.2 1241.8,1002.2 1253,991 v1(1254.56,991) 1265.75,1002.2 U1.J8@1267.28,1002.2
  Bottom Layer 1 w10: v1(1152,943) 1181,943 1195.36,957.36 1195.36,995.36 C20.1@1200,1000 C21.1@1237,1000 1242,995 1249,995 1253,991 v1(1254.56,991)
VDD_CPUX: C5.1 C6.1 C7.1 C41.2 L1.1 R8.2 U1.N8 U1.P6 U1.P7 U1.P8 U1.P9 U1.R6 U1.R7 U1.R8 U1.T6 U1.T7 U1.T8 U1.U6 U1.U9 | length 875.8
  Top Layer 1 w11.81: L1.1@1198.84,453.65 1198.84,383.81 1237,345.65 C41.2@1237,306.65 ; U1.U6@1216.1,797.47 1228.89,810.27 ; U1.P6@1216.1,874.24 1228.89,861.45 ; v1(1280.07,887.04) U1.P8@1268.52,875.48 ; U1.U9@1292.87,797.47 U1.T8@1267.28,823.06 1254.48,835.86 ; 1228.89,810.27 U1.T6@1216.1,823.06 1228.89,835.86 ; 1228.89,810.27 U1.T7@1241.68,823.06 ; 1228.89,835.86 1229.87,834.87 ; 1228.89,835.86 U1.R6@1216.1,848.65 1228.89,861.45 ; 1228.89,835.86 1229.87,836.84 ; 1228.89,861.45 U1.P7@1241.68,874.24 ; 1228.89,861.45 U1.R7@1241.68,848.65 ; 1229.87,834.87 U1.T7@1241.68,823.06 ; 1229.87,834.87 1229.87,836.84 ; 1229.87,836.84 U1.R7@1241.68,848.65 ; U1.T7@1241.68,823.06 1254.48,835.86 ; U1.R7@1241.68,848.65 1254.48,861.45 ; U1.R7@1241.68,848.65 1254.48,835.86 ; U1.P7@1241.68,874.24 1254.48,887.04 ; U1.P7@1241.68,874.24 1254.48,861.45 ; 1254.48,835.86 U1.R8@1267.28,848.65 ; 1254.48,861.45 U1.R8@1267.28,848.65 ; 1254.48,861.45 U1.P8@1267.28,874.24 ; 1254.48,887.04 U1.N8@1267.28,899.83 U1.P9@1292.87,874.24 1281.31,862.69 ; 1254.48,887.04 1256.96,887.04 U1.P8@1268.52,875.48 ; U1.R8@1267.28,848.65 1281.31,862.69 ; U1.P8@1267.28,874.24 U1.P8@1268.52,875.48 ; U1.P8@1267.28,874.24 U1.P8@1269.76,874.24 ; U1.P8@1268.52,875.48 U1.P8@1269.76,874.24 ; U1.P8@1269.76,874.24 1281.31,862.69
  Bottom Layer 1 w11.81: C6.1@1241,926 1279.96,887.04 v1(1280.07,887.04) cw(c1263.34,870.31) 1283.73,882.32 cw(c1263.34,870.31) 1287,870.31 C7.1@1287,856 C5.1@1287,818 1288,817 1288,781 R8.2@1289,780
  other v1: 1147.89,424.23 1172,424 1148,444 1172,444 1148,463 1172,463 1149,484 1173,484 1172,505 1149,506 1173,524 1196,524 1150,525
VDD_EFUSSEBP: C14.2 U1.H11 | length 73.9
  Top Layer 1 w4: U1.H11@1344.05,1027.79 1344.42,1027.79 1355.63,1039 v1(1356,1039)
  Bottom Layer 1 w11.81: C14.2@1319,1081 1323.09,1076.91 1323.09,1072.97 1356,1040.07 v1(1356,1039)
VDD_EPHY: R25.1 U1.F8 | length 1203
  Top Layer 1 w4: v1(1258.28,1078.54) 1258.49,1078.75 1267.06,1078.75 U1.F8@1267.28,1078.97
  Top Layer 1 w10: R25.1@745,281.65 749.9,276.75 749.9,256.65 757,249.56 v1(757,248)
  Signal Layer 1 w10: v1(757,248) 757,358.67 744,371.67 744,481 836,573 1000,573 1122,695 1139.45,695 1179.87,735.42 1179.87,990.87 1246.68,1057.68 1246.68,1065.39 1258.28,1076.99 v1(1258.28,1078.54)
VDD_SYS: C17.1 C18.1 C19.1 C49.2 L6.2 R25.2 R27.2 U1.H10 U1.J10 U1.J11 U1.J12 U1.K10 U1.K11 U1.K12 U1.L10 U1.L11 U1.L12 U1.L13 U1.L14 | length 1566.4
  Top Layer 1 w11.81: R27.2@942,147.65 887.35,93 737,93 710.89,119.11 710.89,309.89 722.65,321.65 R25.2@745,321.65 C49.2@788,321.65 786,323.65 786,338.65 733,391.65 733,485.8 767.25,520.05 861.82,520.05 v1(869.42,527.65) 881,527.65 911,497.65 912.02,497.65 942.84,466.83 L6.2@942.84,452.65 ; U1.H10@1318.46,1027.79 1331.25,1014.99 ; U1.L11@1344.05,951.02 1331.25,963.81 ; U1.K11@1344.05,976.61 1331.25,963.81 ; U1.J12@1369.64,1002.2 v1@1356.84,989.4 ; U1.L14@1420.82,951.02 U1.L13@1395.23,951.02 1382.43,963.81 ; U1.K10@1318.46,976.61 1331.25,963.81 ; U1.K10@1318.46,976.61 1306.85,965 v1(1306,965) 1306,963.93 1318.46,951.48 U1.L10@1318.46,951.02 1331.25,963.81 ; U1.K10@1318.46,976.61 1331.25,989.4 ; 1331.25,989.4 U1.K11@1341.83,978.83 ; 1331.25,989.4 U1.J10@1318.46,1002.2 1331.25,1014.99 ; 1331.25,989.4 U1.J11@1344.05,1002.2 ; 1331.25,1014.99 U1.J11@1344.05,1002.2 ; U1.K11@1341.83,978.83 1356.84,963.81 ; U1.K11@1341.83,978.83 1345.2,978.83 1354.43,988.06 v1(1355.5,988.06) v1@1356.84,989.4 ; U1.J11@1344.05,1002.2 v1@1356.84,989.4 ; 1356.84,963.81 U1.K12@1369.64,976.61 ; 1356.84,963.81 U1.L12@1369.64,951.02 1382.43,963.81 ; v1@1356.84,989.4 U1.K12@1369.64,976.61 ; U1.K12@1369.64,976.61 1382.43,963.81
  Bottom Layer 1 w11.81: C17.1@1276,1007 cw(c1276,968.18) 1293.13,1003.02 1298.15,998 cw(c1279.19,979.04) 1306,979.04 v1(1306,965) ; v1(1355.5,988.06) ccw(c1372.54,1005.1) 1360.26,984.36 ccw(c1372.54,1005.1) 1372.54,981 C18.1@1390,981 C19.1@1426,981
  other v1: 868,442 892,442 868,461 893,461 893,483 868,484 894,506 940,506 962,506 869,507 917,507 894,527.65 918,527.65 940,527.65 963,527.65
X24IN: C12.2 U1.K2 X1.1 | length 222
  Top Layer 1 w4: X1.1@1001,905.98 1014.39,905.98 1036.62,928.21 1036.62,930.28 1069,962.65 1099.78,962.65 U1.K2@1113.73,976.61 ; X1.1@1015,902.65 1015,847.2 1031.5,830.71
X24OUT: C13.2 U1.K1 X1.3 | length 263.5
  Top Layer 1 w4: X1.3@932.1,984.71 946.72,984.71 967.73,963.7 967.73,961.93 980,949.65 1037.3,949.65 1064.25,976.61 U1.K1@1088.14,976.61 ; X1.3@946.1,989.26 967.73,1010.89 967.73,1027.41 C13.2@991.5,1051.18
pads on no net: CARD1. CN1.2 CN1.15 CN1.19 SW4. U1.A1 U1.A13 U1.A14 U1.A16 U1.AA8 U1.AA9 U1.AA11 U1.AA12 U1.AA14 U1.AA15 U1.AA17 U1.AA18 U1.B1 U1.B2 U1.B18 U1.C1 U1.C2 U1.C14 U1.C17 U1.D8 U1.D13 U1.E14 U1.E16 U1.F3 U1.F10 U1.F13 U1.F16 U1.H4 U1.J3 U1.K4 U1.L2 U1.L5 U1.M1 U1.M3 U1.N1 U1.P3 U1.R2 U1.T3 U1.T4 U1.T5 U1.U4 U1.V5 U1.W9 U1.W12 U1.W15 U1.Y7 U1.Y8 U1.Y9 U1.Y10 U1.Y11 U1.Y12 U1.Y13 U1.Y14 U1.Y15 U1.Y16 U1.Y17 U8.4 U8.5 U11.2 U11.3 U11.4 U11.5 U11.6 U11.7 U11.12 U11.14 U11.15 U11.16 U11.17 U11.19 U11.20 U11.21 U11.22 USB1. USB1.A5 USB1.A8 USB1.B1 USB1.B5 USB1.B8 USB2. USB2.A5 USB2.A8 USB2.B5 USB2.B8 X1.2 X1.4

## Polygon pours and split planes (outlines as drawn)
GND on Top Layer 1 "GND_L01_P036" (solid, remove dead copper, pour order 36): -9,1776 -5,1772 -5,-13 2870,-13 2879,-4 2864,11 2864,1795
VCC_5V on Top Layer 1 "VCC_5V_L01_P027" (solid, pour order 27): 1944,252 1944,170 1904,130 1710,130 1696,144 1696,164 1714,182 1714,238 1682,238 1673,229 1673,215 1662,204 1595,204 1576,185 1576,139 1562,125 1446,125 1429,142 1429,240 1416,253 1397,253 1378,234 1378,222 1366,210 1324,210 1318,204 1318,113 1372,59 1968,59 2051,142 2051,238 2034,255 1944,255
VCC_5V on Top Layer 1 "VCC_5V_4" (solid, pour order 35): 1099,354 1099,284 1107,276 1209,276 1210,277 1210,348 1204,354
VCC_5V on Top Layer 1 "VCC_5V_3" (solid, pour order 33): 572,753 572,654 588,638 752,638 755,641 755,670 750,675 661,675 650,686 650,748 645,753
VCC_5V on Top Layer 1 "VCC_5V_2" (solid, pour order 29): 1576,174.19 1576,267 1552,291 1469,291 1459,301 1459,360 1471,372 1578,372 1599,351 1599,212 1614.92,196.08
VCC_USB0 on Top Layer 1 "VCC_USB0" (solid, pour order 32): 1594,1500 1621,1500 1621,1599 1641,1619 1763,1619 1763,1442 1811,1442 1811,1640 1800,1651 1613,1651 1595,1633
VCC_TTL on Top Layer 1 "VCC_TTL" (solid, pour order 31): 2364,1371 2255,1371 2242,1384 2242,1650 2259,1667 2432,1667 2468,1631 2468,1502 2465,1499 2444,1499 2442,1501 2442,1610 2420,1632 2302,1632 2282,1612 2282,1425 2288,1419 2352,1419 2369.33,1401.67 2369.33,1373 2367.33,1371
SGND on Top Layer 1 "SGND_L01_P030" (solid, pour order 30): 948,1764 948,1639 893,1584 893,1403 1275,1403 1313,1441 1313,1765 1312,1766
VCC_WIFI on Top Layer 1 "VCC_WIFI_L01_P028" (solid, pour order 28): 688.98,1269.68 688.98,1112.2 846.46,1112.2 846.46,1269.68
VCC_DRAM on Signal Layer 1 "VCC_DRAM_L02_P037" (solid, pour order 37): 1826,409 1826,558 1777,607 1498,606 1492,613 1371,734 1371,783 1383,795 1439,795 1505,861 1505,960 1487,978 1471,978 1464,971 1464,873 1423,832 1371,832 1330,791 1330,689 1481,538 1679,538 1707,510 1706,509 1706,406
VCC_WIFI on Signal Layer 1 "VCC_WIFI_L02_P034" (solid, pour order 34): 807.09,669.29 935.04,669.29 935.04,994.09 846.46,1082.68 846.46,1269.68 688.98,1269.68 688.98,1053.15 807.09,935.04
VCC_IO on Signal Layer 1 "VCC_IO_L02_P038" (solid, pour order 38): 1516,413 1516,536 1513,539 1477,539 1330,686 1330,794 1366,830 1425,830 1464,869 1464,1018 1401,1081 1293,1081 1214.91,1081 1214.91,1052 1380,1052 1423,1009 1423,873 1408,858 1335,858 1284,807 1284,561 1431,414
VDD_SYS on Signal Layer 1 "VDD_SYS_L02_P040" (solid, pour order 40): 849,541 849,413 860,402 867,409 1029,402 1236,609 1236,760 1212,784 1212,881 1268,937 1398,937 1421,960 1421,1025 1383,1063 1276,1063 1153,940 1153,779 1195,737 1195,696 1039,540 866,540
VDD_CPUX on Signal Layer 1 "VDD_CPUX_L02_P039" (solid, pour order 39): 1117,491 1117,413 1253,413 1255,411 1283,439 1283,817 1287,821 1316,850 1316,873 1275,914 1244,914 1207,877 1208,876 1208,793 1237,764 1237,608 1166,537
VCC_5V on Signal Layer 2 "·" (solid, pour order 45): 1111,319 940,319 761,498 761,639 586.99,639 583.49,635.51 583.49,581.51 626,539 626,426 970,82 1289,82
VCC_5V on Signal Layer 2 "VCC_5V_10" (solid, pour order 41): 1377,138 1314,201 1252,201 1204,249 1204,309 1194,319 1111,319 1097,305 1097,274 1289,82 1370,82 1377,89 1377,133
VCC_5V on Signal Layer 2 "·" (solid, pour order 43): 571,748 571,648 587,632 754,632 761,639 761,748
GND on Bottom Layer 1 "GND_L04_P042" (solid, pour order 42): -3.15,1776.52 -3.15,-3.35 854,-3.35 2835.54,-3.35 2832.88,1776.52

## Keep-outs
Keep-Out Layer:
  lines w10: 113.97,0.07 2832.88,0.07 ; 118.11,0 cw(c118.11,118.11) 0,118.11 0,1653.54 cw(c118.11,1653.54) 118.11,1771.65 ; 118.11,1771.51 2716.54,1771.51 ; 2716.54,1771.65 cw(c2716.54,1653.54) 2834.65,1653.54 ; 2832.95,0 2833.8,0.85 2833.8,1667.67

## Other copper
Top Layer 1:
  rectangle net VCC_WIFI: 805,617 930,729
  rectangle net VCC_IO: 1430,412 1522,539
  rectangle net VCC_DRAM: 1710,408 1819,542
  rectangle net VDD_CPUX: 1123,413 1244,536
  rectangle net VDD_SYS: 851,412 972,535
  pour cut-out: 1073,1221 1073,677 1074,678 1614,678 1614,1225 1615,1226
Bottom Layer 1:
  rectangle net VCC_USB0: 1760,1442 1816,1500

## Silkscreen, mask and mechanical layers (free items; w line width, h text height)
Bottom Overlay:
  lines w10: 1059,96 1673,96 1673,603 1059,603 1059,96